# Altium PCB EDA-03518-V3-0_pcb.pcbdoc (part 8 of 14)
Units mm, origin at the board's own origin, x right, y up, seen from the top; angles counter-clockwise.
Board outline 220 x 230 mm, 8 copper layers (Top Layer, L2P, L3, L4P, L5P, L6, L7P, Bottom Layer), stack 2.18 mm thick; 1190 components, 1445 nets, 5955 pads, 2149 vias.
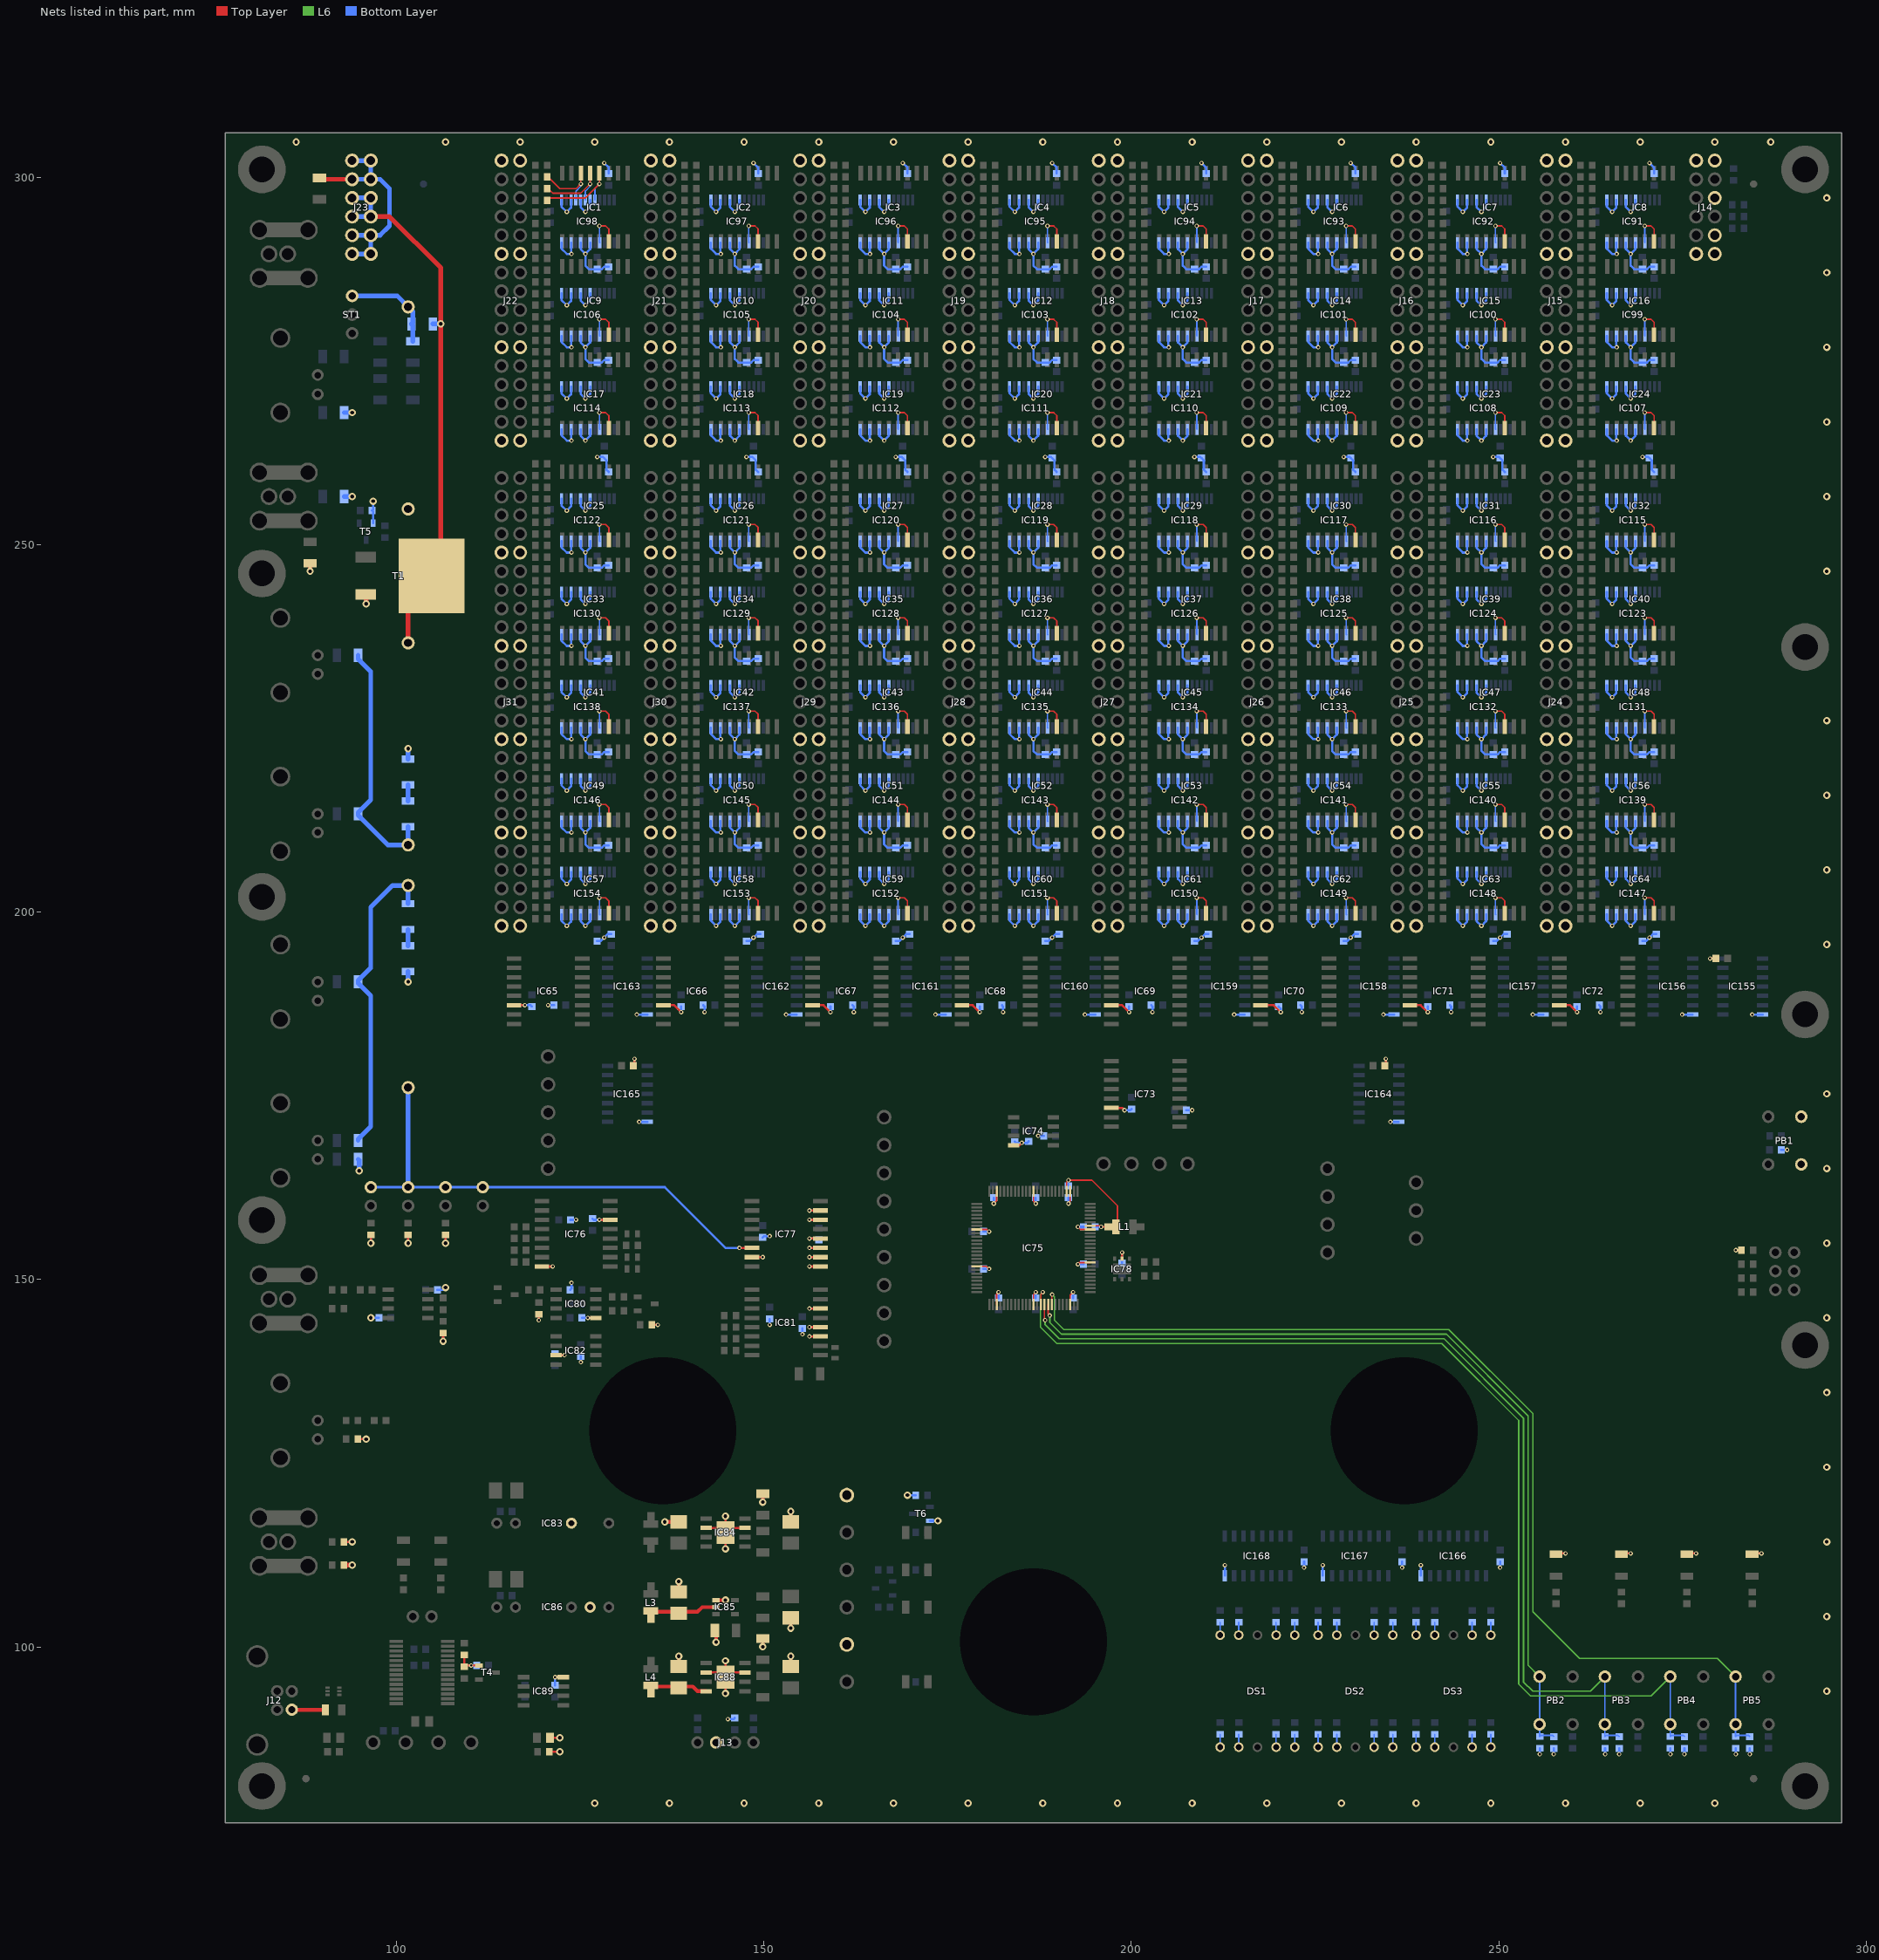
[diagram p14: the nets of this part, all layers, seen from the top]

## Via types
v1: diameter 0.6, hole 0.3, Top Layer to Bottom Layer, tented both sides, 1995 vias
v2: diameter 1, hole 0.5, Top Layer to Bottom Layer, tented both sides, 154 vias

## Nets (pads, with @x,y where several pads share a name; then routed paths per layer and width w, separated by ;. In a path a pad name is that pad's centre, name@x,y a point inside that pad or via, vN(x,y) a via of type N, cw(c..) or ccw(c..) an arc to the next point about the centre after c; other vN are vias at no path point) (continued)
GND: (continued)
  Bottom Layer w0.305: v2(96.52,144.78) C195.2@97.625,144.78 ; T5.2@96.835,252.928 96.837,252.93 96.837,254.483 R613.1@96.685,254.635 96.837,254.787 v2(96.837,255.905) ; C188.1@105.575,148.59 106.362,148.59 v2(106.68,148.907) ; v1(117.475,187.325) 118.262,187.325 C160.1@118.427,187.16 ; v1(120.65,187.325) C168.1@121.437,187.325 ; C206.1@121.602,94.78 v1(121.602,95.885) ; C197.1@121.602,139.865 121.768,139.7 v1(122.872,139.7) ; IC154.12@122.473,199.665 122.473,198.837 v1(123.19,198.12) 123.773,198.703 IC154.10@123.773,199.665 ; IC154.13@122.473,205.465 122.473,204.552 v1(123.19,203.835) 123.773,204.418 IC154.15@123.773,205.465 ; IC146.12@122.473,212.365 122.473,211.537 123.19,210.82 v1(123.825,210.82) 123.773,210.872 IC146.10@123.773,212.365 ; IC146.13@122.473,218.165 122.473,217.252 v1(123.19,216.535) 123.773,217.118 IC146.15@123.773,218.165 ; IC138.12@122.473,225.065 122.473,224.237 123.19,223.52 v1(123.825,223.52) 123.773,223.572 IC138.10@123.773,225.065 ; IC138.13@122.473,230.865 122.473,229.952 v1(123.19,229.235) 123.773,229.818 IC138.15@123.773,230.865 ; IC130.12@122.473,237.765 122.473,236.937 123.19,236.22 v1(123.825,236.22) 123.773,236.272 IC130.10@123.773,237.765 ; IC130.13@122.473,243.565 122.473,242.652 v1(123.19,241.935) 123.773,242.518 IC130.15@123.773,243.565 ; IC122.12@122.473,250.465 122.473,249.637 123.19,248.92 v1(123.825,248.92) 123.773,248.972 IC122.10@123.773,250.465 ; IC122.13@122.473,256.265 122.473,255.352 v1(123.19,254.635) 123.773,255.218 IC122.15@123.773,256.265 ; IC114.12@122.473,265.705 122.473,264.877 123.19,264.16 v1(123.825,264.16) 123.773,264.212 IC114.10@123.773,265.705 ; IC114.13@122.473,271.505 122.473,270.592 v1(123.19,269.875) 123.773,270.458 IC114.15@123.773,271.505 ; IC106.12@122.473,278.405 122.473,277.577 123.19,276.86 v1(123.825,276.86) 123.773,276.912 IC106.10@123.773,278.405 ; IC106.13@122.473,284.205 122.473,283.292 v1(123.19,282.575) 123.773,283.158 IC106.15@123.773,284.205 ; IC98.12@122.473,291.105 122.473,290.277 123.19,289.56 v1(123.825,289.56) 123.773,289.612 IC98.10@123.773,291.105 ; IC98.13@122.473,296.905 122.473,295.992 v1(123.19,295.275) 123.773,295.858 IC98.15@123.773,296.905 ; C187.1@123.66,148.59 123.825,148.755 v1(123.825,149.542) ; C179.2@123.673,158.115 v1(124.46,158.115) ; IC154.8@125.073,199.665 125.073,198.777 v1(125.73,198.12) 126.373,198.763 IC154.6@126.373,199.665 ; IC154.17@125.073,205.465 125.073,204.492 v1(125.73,203.835) 126.373,204.478 IC154.19@126.373,205.465 ; IC146.8@125.073,212.365 125.073,211.477 v1(125.73,210.82) ; IC146.17@125.073,218.165 125.073,217.192 v1(125.73,216.535) 126.373,217.178 IC146.19@126.373,218.165 ; IC138.8@125.073,225.065 125.073,224.177 v1(125.73,223.52) ; IC138.17@125.073,230.865 125.073,229.892 v1(125.73,229.235) 126.373,229.878 IC138.19@126.373,230.865 ; IC130.8@125.073,237.765 125.073,236.877 v1(125.73,236.22) ; IC130.17@125.073,243.565 125.073,242.592 v1(125.73,241.935) 126.373,242.578 IC130.19@126.373,243.565 ; IC122.8@125.073,250.465 125.073,249.577 v1(125.73,248.92) ; IC122.17@125.073,256.265 125.073,255.292 v1(125.73,254.635) 126.373,255.278 IC122.19@126.373,256.265 ; IC114.8@125.073,265.705 125.073,264.817 v1(125.73,264.16) 126.373,264.803 IC114.6@126.373,265.705 ; IC114.17@125.073,271.505 125.073,270.532 v1(125.73,269.875) 126.373,270.518 IC114.19@126.373,271.505 ; IC106.8@125.073,278.405 125.073,277.517 v1(125.73,276.86) ; IC106.17@125.073,284.205 125.073,283.232 v1(125.73,282.575) 126.373,283.218 IC106.19@126.373,284.205 ; IC98.8@125.073,291.105 125.073,290.217 v1(125.73,289.56) ; IC98.17@125.073,296.905 125.073,295.932 v1(125.73,295.275) 126.373,295.918 IC98.19@126.373,296.905 ; v1(125.095,138.748) C196.1@125.095,139.535 ; C194.1@125.26,144.78 v1(126.047,144.78) ; IC146.6@126.373,212.365 126.373,211.463 v1(125.73,210.82) ; IC138.6@126.373,225.065 126.373,224.163 v1(125.73,223.52) ; IC130.6@126.373,237.765 126.373,236.863 v1(125.73,236.22) ; IC122.6@126.373,250.465 126.373,249.563 v1(125.73,248.92) ; IC106.6@126.373,278.405 126.373,277.503 v1(125.73,276.86) ; IC98.6@126.373,291.105 126.373,290.203 v1(125.73,289.56) ; C178.1@126.682,158.28 126.848,158.115 v1(127.635,158.115) ; C144.1@127.317,196.05 127.787,196.05 v1(128.27,196.532) 128.753,197.015 C152.1@129.222,197.015 ; v1(127.317,261.938) 128.105,261.938 C64.1@128.27,261.772 128.588,261.455 128.588,260.198 C72.1@128.905,259.88 ; v1(128.27,301.942) 128.905,301.308 C24.1@128.905,300.52 ; C136.1@128.905,209.08 128.276,209.08 127.946,208.75 C128.1@127.317,208.75 126.213,208.75 125.73,209.232 v1(125.73,210.82) ; C120.1@128.905,221.78 128.276,221.78 127.946,221.45 C112.1@127.317,221.45 126.213,221.45 125.73,221.933 v1(125.73,223.52) ; C104.1@128.905,234.48 128.276,234.48 127.946,234.15 C96.1@127.317,234.15 126.213,234.15 125.73,234.632 v1(125.73,236.22) ; C88.1@128.905,247.18 128.276,247.18 127.946,246.85 C80.1@127.317,246.85 126.213,246.85 125.73,247.332 v1(125.73,248.92) ; C56.1@128.905,275.12 128.276,275.12 127.946,274.79 C48.1@127.317,274.79 126.213,274.79 125.73,275.272 v1(125.73,276.86) ; C40.1@128.905,287.82 128.276,287.82 127.946,287.49 C32.1@127.317,287.49 126.213,287.49 125.73,287.972 v1(125.73,289.56) ; v1(132.715,186.055) IC163.7@134.145,186.055 ; v1(133.032,171.45) IC165.7@134.145,171.45 ; v1(138.748,186.373) C159.1@138.748,187.16 ; C167.1@141.757,187.325 141.922,187.16 v1(141.922,186.373) ; IC153.12@142.793,199.665 142.793,198.837 v1(143.51,198.12) 144.093,198.703 IC153.10@144.093,199.665 ; IC153.13@142.793,205.465 142.793,204.552 v1(143.51,203.835) 144.093,204.418 IC153.15@144.093,205.465 ; IC145.12@142.793,212.365 142.793,211.537 143.51,210.82 v1(144.145,210.82) 144.093,210.872 IC145.10@144.093,212.365 ; IC145.13@142.793,218.165 142.793,217.252 v1(143.51,216.535) 144.093,217.118 IC145.15@144.093,218.165 ; IC137.12@142.793,225.065 142.793,224.237 143.51,223.52 v1(144.145,223.52) 144.093,223.572 IC137.10@144.093,225.065 ; IC137.13@142.793,230.865 142.793,229.952 v1(143.51,229.235) 144.093,229.818 IC137.15@144.093,230.865 ; IC129.12@142.793,237.765 142.793,236.937 143.51,236.22 v1(144.145,236.22) 144.093,236.272 IC129.10@144.093,237.765 ; IC129.13@142.793,243.565 142.793,242.652 v1(143.51,241.935) 144.093,242.518 IC129.15@144.093,243.565 ; IC121.12@142.793,250.465 142.793,249.637 143.51,248.92 v1(144.145,248.92) 144.093,248.972 IC121.10@144.093,250.465 ; IC121.13@142.793,256.265 142.793,255.352 v1(143.51,254.635) 144.093,255.218 IC121.15@144.093,256.265 ; IC113.12@142.793,265.705 142.793,264.877 143.51,264.16 v1(144.145,264.16) 144.093,264.212 IC113.10@144.093,265.705 ; IC113.13@142.793,271.505 142.793,270.592 v1(143.51,269.875) 144.093,270.458 IC113.15@144.093,271.505 ; IC105.12@142.793,278.405 142.793,277.577 143.51,276.86 v1(144.145,276.86) 144.093,276.912 IC105.10@144.093,278.405 ; IC105.13@142.793,284.205 142.793,283.292 v1(143.51,282.575) 144.093,283.158 IC105.15@144.093,284.205 ; IC97.12@142.793,291.105 142.793,290.277 143.51,289.56 v1(144.145,289.56) 144.093,289.612 IC97.10@144.093,291.105 ; IC97.13@142.793,296.905 142.793,295.992 v1(143.51,295.275) 144.093,295.858 IC97.15@144.093,296.905 ; v1(145.097,90.17) 145.885,90.17 C208.1@146.05,90.335 ; IC153.8@145.393,199.665 145.393,198.777 v1(146.05,198.12) 146.693,198.763 IC153.6@146.693,199.665 ; IC153.17@145.393,205.465 145.393,204.492 v1(146.05,203.835) 146.693,204.478 IC153.19@146.693,205.465 ; IC145.8@145.393,212.365 145.393,211.477 v1(146.05,210.82) ; IC145.17@145.393,218.165 145.393,217.192 v1(146.05,216.535) 146.693,217.178 IC145.19@146.693,218.165 ; IC137.8@145.393,225.065 145.393,224.177 v1(146.05,223.52) ; IC137.17@145.393,230.865 145.393,229.892 v1(146.05,229.235) 146.693,229.878 IC137.19@146.693,230.865 ; IC129.8@145.393,237.765 145.393,236.877 v1(146.05,236.22) ; IC129.17@145.393,243.565 145.393,242.592 v1(146.05,241.935) 146.693,242.578 IC129.19@146.693,243.565 ; IC121.8@145.393,250.465 145.393,249.577 v1(146.05,248.92) ; IC121.17@145.393,256.265 145.393,255.292 v1(146.05,254.635) 146.693,255.278 IC121.19@146.693,256.265 ; IC113.8@145.393,265.705 145.393,264.817 v1(146.05,264.16) 146.693,264.803 IC113.6@146.693,265.705 ; IC113.17@145.393,271.505 145.393,270.532 v1(146.05,269.875) 146.693,270.518 IC113.19@146.693,271.505 ; IC105.8@145.393,278.405 145.393,277.517 v1(146.05,276.86) ; IC105.17@145.393,284.205 145.393,283.232 v1(146.05,282.575) 146.693,283.218 IC105.19@146.693,284.205 ; IC97.8@145.393,291.105 145.393,290.217 v1(146.05,289.56) ; IC97.17@145.393,296.905 145.393,295.932 v1(146.05,295.275) 146.693,295.918 IC97.19@146.693,296.905 ; IC145.6@146.693,212.365 146.693,211.463 v1(146.05,210.82) ; IC137.6@146.693,225.065 146.693,224.163 v1(146.05,223.52) ; IC129.6@146.693,237.765 146.693,236.863 v1(146.05,236.22) ; IC121.6@146.693,250.465 146.693,249.563 v1(146.05,248.92) ; IC105.6@146.693,278.405 146.693,277.503 v1(146.05,276.86) ; IC97.6@146.693,291.105 146.693,290.203 v1(146.05,289.56) ; C143.1@147.637,196.05 148.107,196.05 v1(148.59,196.532) 149.073,197.015 C151.1@149.542,197.015 ; v1(147.637,261.938) 148.425,261.938 C63.1@148.59,261.772 148.907,261.455 148.907,260.198 C71.1@149.225,259.88 ; v1(148.59,301.942) 149.225,301.308 C23.1@149.225,300.52 ; C135.1@149.225,209.08 148.596,209.08 148.266,208.75 C127.1@147.637,208.75 146.533,208.75 146.05,209.232 v1(146.05,210.82) ; C119.1@149.225,221.78 148.596,221.78 148.266,221.45 C111.1@147.637,221.45 146.533,221.45 146.05,221.933 v1(146.05,223.52) ; C103.1@149.225,234.48 148.596,234.48 148.266,234.15 C95.1@147.637,234.15 146.533,234.15 146.05,234.632 v1(146.05,236.22) ; C87.1@149.225,247.18 148.596,247.18 148.266,246.85 C79.1@147.637,246.85 146.533,246.85 146.05,247.332 v1(146.05,248.92) ; C55.1@149.225,275.12 148.596,275.12 148.266,274.79 C47.1@147.637,274.79 146.533,274.79 146.05,275.272 v1(146.05,276.86) ; C39.1@149.225,287.82 148.596,287.82 148.266,287.49 C31.1@147.637,287.49 146.533,287.49 146.05,287.972 v1(146.05,289.56) ; C180.2@149.86,155.727 150.025,155.892 v1(150.812,155.892) ; v1(150.812,143.827) C192.1@150.812,144.615 ; v1(153.035,186.055) IC162.7@154.465,186.055 ; v1(155.257,142.558) C193.1@155.257,143.345 ; v1(156.21,155.575) 157.315,155.575 C182.1@157.48,155.41 ; v1(159.067,186.373) C158.1@159.067,187.16 ; C166.1@162.077,187.325 162.243,187.16 v1(162.243,186.373) ; IC152.12@163.113,199.665 163.113,198.837 v1(163.83,198.12) 164.413,198.703 IC152.10@164.413,199.665 ; IC152.13@163.113,205.465 163.113,204.552 v1(163.83,203.835) 164.413,204.418 IC152.15@164.413,205.465 ; IC144.12@163.113,212.365 163.113,211.537 163.83,210.82 v1(164.465,210.82) 164.413,210.872 IC144.10@164.413,212.365 ; IC144.13@163.113,218.165 163.113,217.252 v1(163.83,216.535) 164.413,217.118 IC144.15@164.413,218.165 ; IC136.12@163.113,225.065 163.113,224.237 163.83,223.52 v1(164.465,223.52) 164.413,223.572 IC136.10@164.413,225.065 ; IC136.13@163.113,230.865 163.113,229.952 v1(163.83,229.235) 164.413,229.818 IC136.15@164.413,230.865 ; IC128.12@163.113,237.765 163.113,236.937 163.83,236.22 v1(164.465,236.22) 164.413,236.272 IC128.10@164.413,237.765 ; IC128.13@163.113,243.565 163.113,242.652 v1(163.83,241.935) 164.413,242.518 IC128.15@164.413,243.565 ; IC120.12@163.113,250.465 163.113,249.637 163.83,248.92 v1(164.465,248.92) 164.413,248.972 IC120.10@164.413,250.465 ; IC120.13@163.113,256.265 163.113,255.352 v1(163.83,254.635) 164.413,255.218 IC120.15@164.413,256.265 ; IC112.12@163.113,265.705 163.113,264.877 163.83,264.16 v1(164.465,264.16) 164.413,264.212 IC112.10@164.413,265.705 ; IC112.13@163.113,271.505 163.113,270.592 v1(163.83,269.875) 164.413,270.458 IC112.15@164.413,271.505 ; IC104.12@163.113,278.405 163.113,277.577 163.83,276.86 v1(164.465,276.86) 164.413,276.912 IC104.10@164.413,278.405 ; IC104.13@163.113,284.205 163.113,283.292 v1(163.83,282.575) 164.413,283.158 IC104.15@164.413,284.205 ; IC96.12@163.113,291.105 163.113,290.277 163.83,289.56 v1(164.465,289.56) 164.413,289.612 IC96.10@164.413,291.105 ; IC96.13@163.113,296.905 163.113,295.992 v1(163.83,295.275) 164.413,295.858 IC96.15@164.413,296.905 ; IC152.8@165.713,199.665 165.713,198.777 v1(166.37,198.12) 167.013,198.763 IC152.6@167.013,199.665 ; IC152.17@165.713,205.465 165.713,204.492 v1(166.37,203.835) 167.013,204.478 IC152.19@167.013,205.465 ; IC144.8@165.713,212.365 165.713,211.477 v1(166.37,210.82) ; IC144.17@165.713,218.165 165.713,217.192 v1(166.37,216.535) 167.013,217.178 IC144.19@167.013,218.165 ; IC136.8@165.713,225.065 165.713,224.177 v1(166.37,223.52) ; IC136.17@165.713,230.865 165.713,229.892 v1(166.37,229.235) 167.013,229.878 IC136.19@167.013,230.865 ; IC128.8@165.713,237.765 165.713,236.877 v1(166.37,236.22) ; IC128.17@165.713,243.565 165.713,242.592 v1(166.37,241.935) 167.013,242.578 IC128.19@167.013,243.565 ; IC120.8@165.713,250.465 165.713,249.577 v1(166.37,248.92) ; IC120.17@165.713,256.265 165.713,255.292 v1(166.37,254.635) 167.013,255.278 IC120.19@167.013,256.265 ; IC112.8@165.713,265.705 165.713,264.817 v1(166.37,264.16) 167.013,264.803 IC112.6@167.013,265.705 ; IC112.17@165.713,271.505 165.713,270.532 v1(166.37,269.875) 167.013,270.518 IC112.19@167.013,271.505 ; IC104.8@165.713,278.405 165.713,277.517 v1(166.37,276.86) ; IC104.17@165.713,284.205 165.713,283.232 v1(166.37,282.575) 167.013,283.218 IC104.19@167.013,284.205 ; IC96.8@165.713,291.105 165.713,290.217 v1(166.37,289.56) ; IC96.17@165.713,296.905 165.713,295.932 v1(166.37,295.275) 167.013,295.918 IC96.19@167.013,296.905 ; IC144.6@167.013,212.365 167.013,211.463 v1(166.37,210.82) ; IC136.6@167.013,225.065 167.013,224.163 v1(166.37,223.52) ; IC128.6@167.013,237.765 167.013,236.863 v1(166.37,236.22) ; IC120.6@167.013,250.465 167.013,249.563 v1(166.37,248.92) ; IC104.6@167.013,278.405 167.013,277.503 v1(166.37,276.86) ; IC96.6@167.013,291.105 167.013,290.203 v1(166.37,289.56) ; C142.1@167.957,196.05 168.427,196.05 v1(168.91,196.532) 169.393,197.015 C150.1@169.862,197.015 ; v1(167.957,261.938) 168.745,261.938 C62.1@168.91,261.772 169.227,261.455 169.227,260.198 C70.1@169.545,259.88 ; v1(168.91,301.942) 169.545,301.308 C22.1@169.545,300.52 ; v2(169.545,120.65) R654.1@170.65,120.65 ; C134.1@169.545,209.08 168.916,209.08 168.586,208.75 C126.1@167.957,208.75 166.853,208.75 166.37,209.232 v1(166.37,210.82) ; C118.1@169.545,221.78 168.916,221.78 168.586,221.45 C110.1@167.957,221.45 166.853,221.45 166.37,221.933 v1(166.37,223.52) ; C102.1@169.545,234.48 168.916,234.48 168.586,234.15 C94.1@167.957,234.15 166.853,234.15 166.37,234.632 v1(166.37,236.22) ; C86.1@169.545,247.18 168.916,247.18 168.586,246.85 C78.1@167.957,246.85 166.853,246.85 166.37,247.332 v1(166.37,248.92) ; C54.1@169.545,275.12 168.916,275.12 168.586,274.79 C46.1@167.957,274.79 166.853,274.79 166.37,275.272 v1(166.37,276.86) ; C38.1@169.545,287.82 168.916,287.82 168.586,287.49 C30.1@167.957,287.49 166.853,287.49 166.37,287.972 v1(166.37,289.56) ; T6.2@172.6,117.16 173.67,117.16 v2(173.672,117.157) ; v1(173.355,186.055) IC161.7@174.785,186.055 ; v1(179.387,186.373) C157.1@179.387,187.16 ; C186.2@179.87,151.447 v1(180.657,151.447) ; C183.2@179.87,156.528 v1(180.657,156.528) ; v1(181.292,160.338) C177.2@181.292,161.125 ; C191.2@181.927,147.485 v1(181.927,148.273) ; C165.1@182.397,187.325 182.562,187.16 v1(182.562,186.373) ; IC151.12@183.433,199.665 183.433,198.837 v1(184.15,198.12) 184.733,198.703 IC151.10@184.733,199.665 ; IC151.13@183.433,205.465 183.433,204.552 v1(184.15,203.835) 184.733,204.418 IC151.15@184.733,205.465 ; IC143.12@183.433,212.365 183.433,211.537 184.15,210.82 v1(184.785,210.82) 184.733,210.872 IC143.10@184.733,212.365 ; IC143.13@183.433,218.165 183.433,217.252 v1(184.15,216.535) 184.733,217.118 IC143.15@184.733,218.165 ; IC135.12@183.433,225.065 183.433,224.237 184.15,223.52 v1(184.785,223.52) 184.733,223.572 IC135.10@184.733,225.065 ; IC135.13@183.433,230.865 183.433,229.952 v1(184.15,229.235) 184.733,229.818 IC135.15@184.733,230.865 ; IC127.12@183.433,237.765 183.433,236.937 184.15,236.22 v1(184.785,236.22) 184.733,236.272 IC127.10@184.733,237.765 ; IC127.13@183.433,243.565 183.433,242.652 v1(184.15,241.935) 184.733,242.518 IC127.15@184.733,243.565 ; IC119.12@183.433,250.465 183.433,249.637 184.15,248.92 v1(184.785,248.92) 184.733,248.972 IC119.10@184.733,250.465 ; IC119.13@183.433,256.265 183.433,255.352 v1(184.15,254.635) 184.733,255.218 IC119.15@184.733,256.265 ; IC111.12@183.433,265.705 183.433,264.877 184.15,264.16 v1(184.785,264.16) 184.733,264.212 IC111.10@184.733,265.705 ; IC111.13@183.433,271.505 183.433,270.592 v1(184.15,269.875) 184.733,270.458 IC111.15@184.733,271.505 ; IC103.12@183.433,278.405 183.433,277.577 184.15,276.86 v1(184.785,276.86) 184.733,276.912 IC103.10@184.733,278.405 ; IC103.13@183.433,284.205 183.433,283.292 v1(184.15,282.575) 184.733,283.158 IC103.15@184.733,284.205 ; IC95.12@183.433,291.105 183.433,290.277 184.15,289.56 v1(184.785,289.56) 184.733,289.612 IC95.10@184.733,291.105 ; IC95.13@183.433,296.905 183.433,295.992 v1(184.15,295.275) 184.733,295.858 IC95.15@184.733,296.905 ; C171.1@184.15,168.745 184.302,168.593 v1(185.102,168.593) 185.853,168.593 C172.1@186.055,168.795 ; IC151.8@186.033,199.665 186.033,198.777 v1(186.69,198.12) 187.333,198.763 IC151.6@187.333,199.665 ; IC151.17@186.033,205.465 186.033,204.492 v1(186.69,203.835) 187.333,204.478 IC151.19@187.333,205.465 ; IC143.8@186.033,212.365 186.033,211.477 v1(186.69,210.82) ; IC143.17@186.033,218.165 186.033,217.192 v1(186.69,216.535) 187.333,217.178 IC143.19@187.333,218.165 ; IC135.8@186.033,225.065 186.033,224.177 v1(186.69,223.52) ; IC135.17@186.033,230.865 186.033,229.892 v1(186.69,229.235) 187.333,229.878 IC135.19@187.333,230.865 ; IC127.8@186.033,237.765 186.033,236.877 v1(186.69,236.22) ; IC127.17@186.033,243.565 186.033,242.592 v1(186.69,241.935) 187.333,242.578 IC127.19@187.333,243.565 ; IC119.8@186.033,250.465 186.033,249.577 v1(186.69,248.92) ; IC119.17@186.033,256.265 186.033,255.292 v1(186.69,254.635) 187.333,255.278 IC119.19@187.333,256.265 ; IC111.8@186.033,265.705 186.033,264.817 v1(186.69,264.16) 187.333,264.803 IC111.6@187.333,265.705 ; IC111.17@186.033,271.505 186.033,270.532 v1(186.69,269.875) 187.333,270.518 IC111.19@187.333,271.505 ; IC103.8@186.033,278.405 186.033,277.517 v1(186.69,276.86) ; IC103.17@186.033,284.205 186.033,283.232 v1(186.69,282.575) 187.333,283.218 IC103.19@187.333,284.205 ; IC95.8@186.033,291.105 186.033,290.217 v1(186.69,289.56) ; IC95.17@186.033,296.905 186.033,295.932 v1(186.69,295.275) 187.333,295.918 IC95.19@187.333,296.905 ; C190.2@187.007,147.485 v1(187.007,148.273) ; v1(187.007,160.338) C176.2@187.007,161.125 ; v1(187.325,169.545) C173.1@188.112,169.545 ; IC143.6@187.333,212.365 187.333,211.463 v1(186.69,210.82) ; IC135.6@187.333,225.065 187.333,224.163 v1(186.69,223.52) ; IC127.6@187.333,237.765 187.333,236.863 v1(186.69,236.22) ; IC119.6@187.333,250.465 187.333,249.563 v1(186.69,248.92) ; IC103.6@187.333,278.405 187.333,277.503 v1(186.69,276.86) ; IC95.6@187.333,291.105 187.333,290.203 v1(186.69,289.56) ; C141.1@188.278,196.05 188.747,196.05 v1(189.23,196.532) 189.713,197.015 C149.1@190.183,197.015 ; v1(188.278,261.938) 189.065,261.938 C61.1@189.23,261.772 189.547,261.455 189.547,260.198 C69.1@189.865,259.88 ; v1(189.23,301.942) 189.865,301.308 C21.1@189.865,300.52 ; C133.1@189.865,209.08 189.236,209.08 188.906,208.75 C125.1@188.278,208.75 187.173,208.75 186.69,209.232 v1(186.69,210.82) ; C117.1@189.865,221.78 189.236,221.78 188.906,221.45 C109.1@188.278,221.45 187.173,221.45 186.69,221.933 v1(186.69,223.52) ; C101.1@189.865,234.48 189.236,234.48 188.906,234.15 C93.1@188.278,234.15 187.173,234.15 186.69,234.632 v1(186.69,236.22) ; C85.1@189.865,247.18 189.236,247.18 188.906,246.85 C77.1@188.278,246.85 187.173,246.85 186.69,247.332 v1(186.69,248.92) ; C53.1@189.865,275.12 189.236,275.12 188.906,274.79 C45.1@188.278,274.79 187.173,274.79 186.69,275.272 v1(186.69,276.86) ; C37.1@189.865,287.82 189.236,287.82 188.906,287.49 C29.1@188.278,287.49 187.173,287.49 186.69,287.972 v1(186.69,289.56) ; v1(191.452,160.338) C175.1@191.452,161.125 ; C189.2@192.088,147.485 v1(192.088,148.273) ; v1(192.722,152.082) C185.2@193.51,152.082 